# Altium PCB STM32F334R8T6Board_PCB.PcbDoc (part 2 of 2)
Units mm, origin at the board's own origin, x right, y up, seen from the top; angles counter-clockwise.
Board outline 150.9 x 140.23 mm, 2 copper layers (Top Layer, Bottom Layer); 191 components, 132 nets, 630 pads, 229 vias.
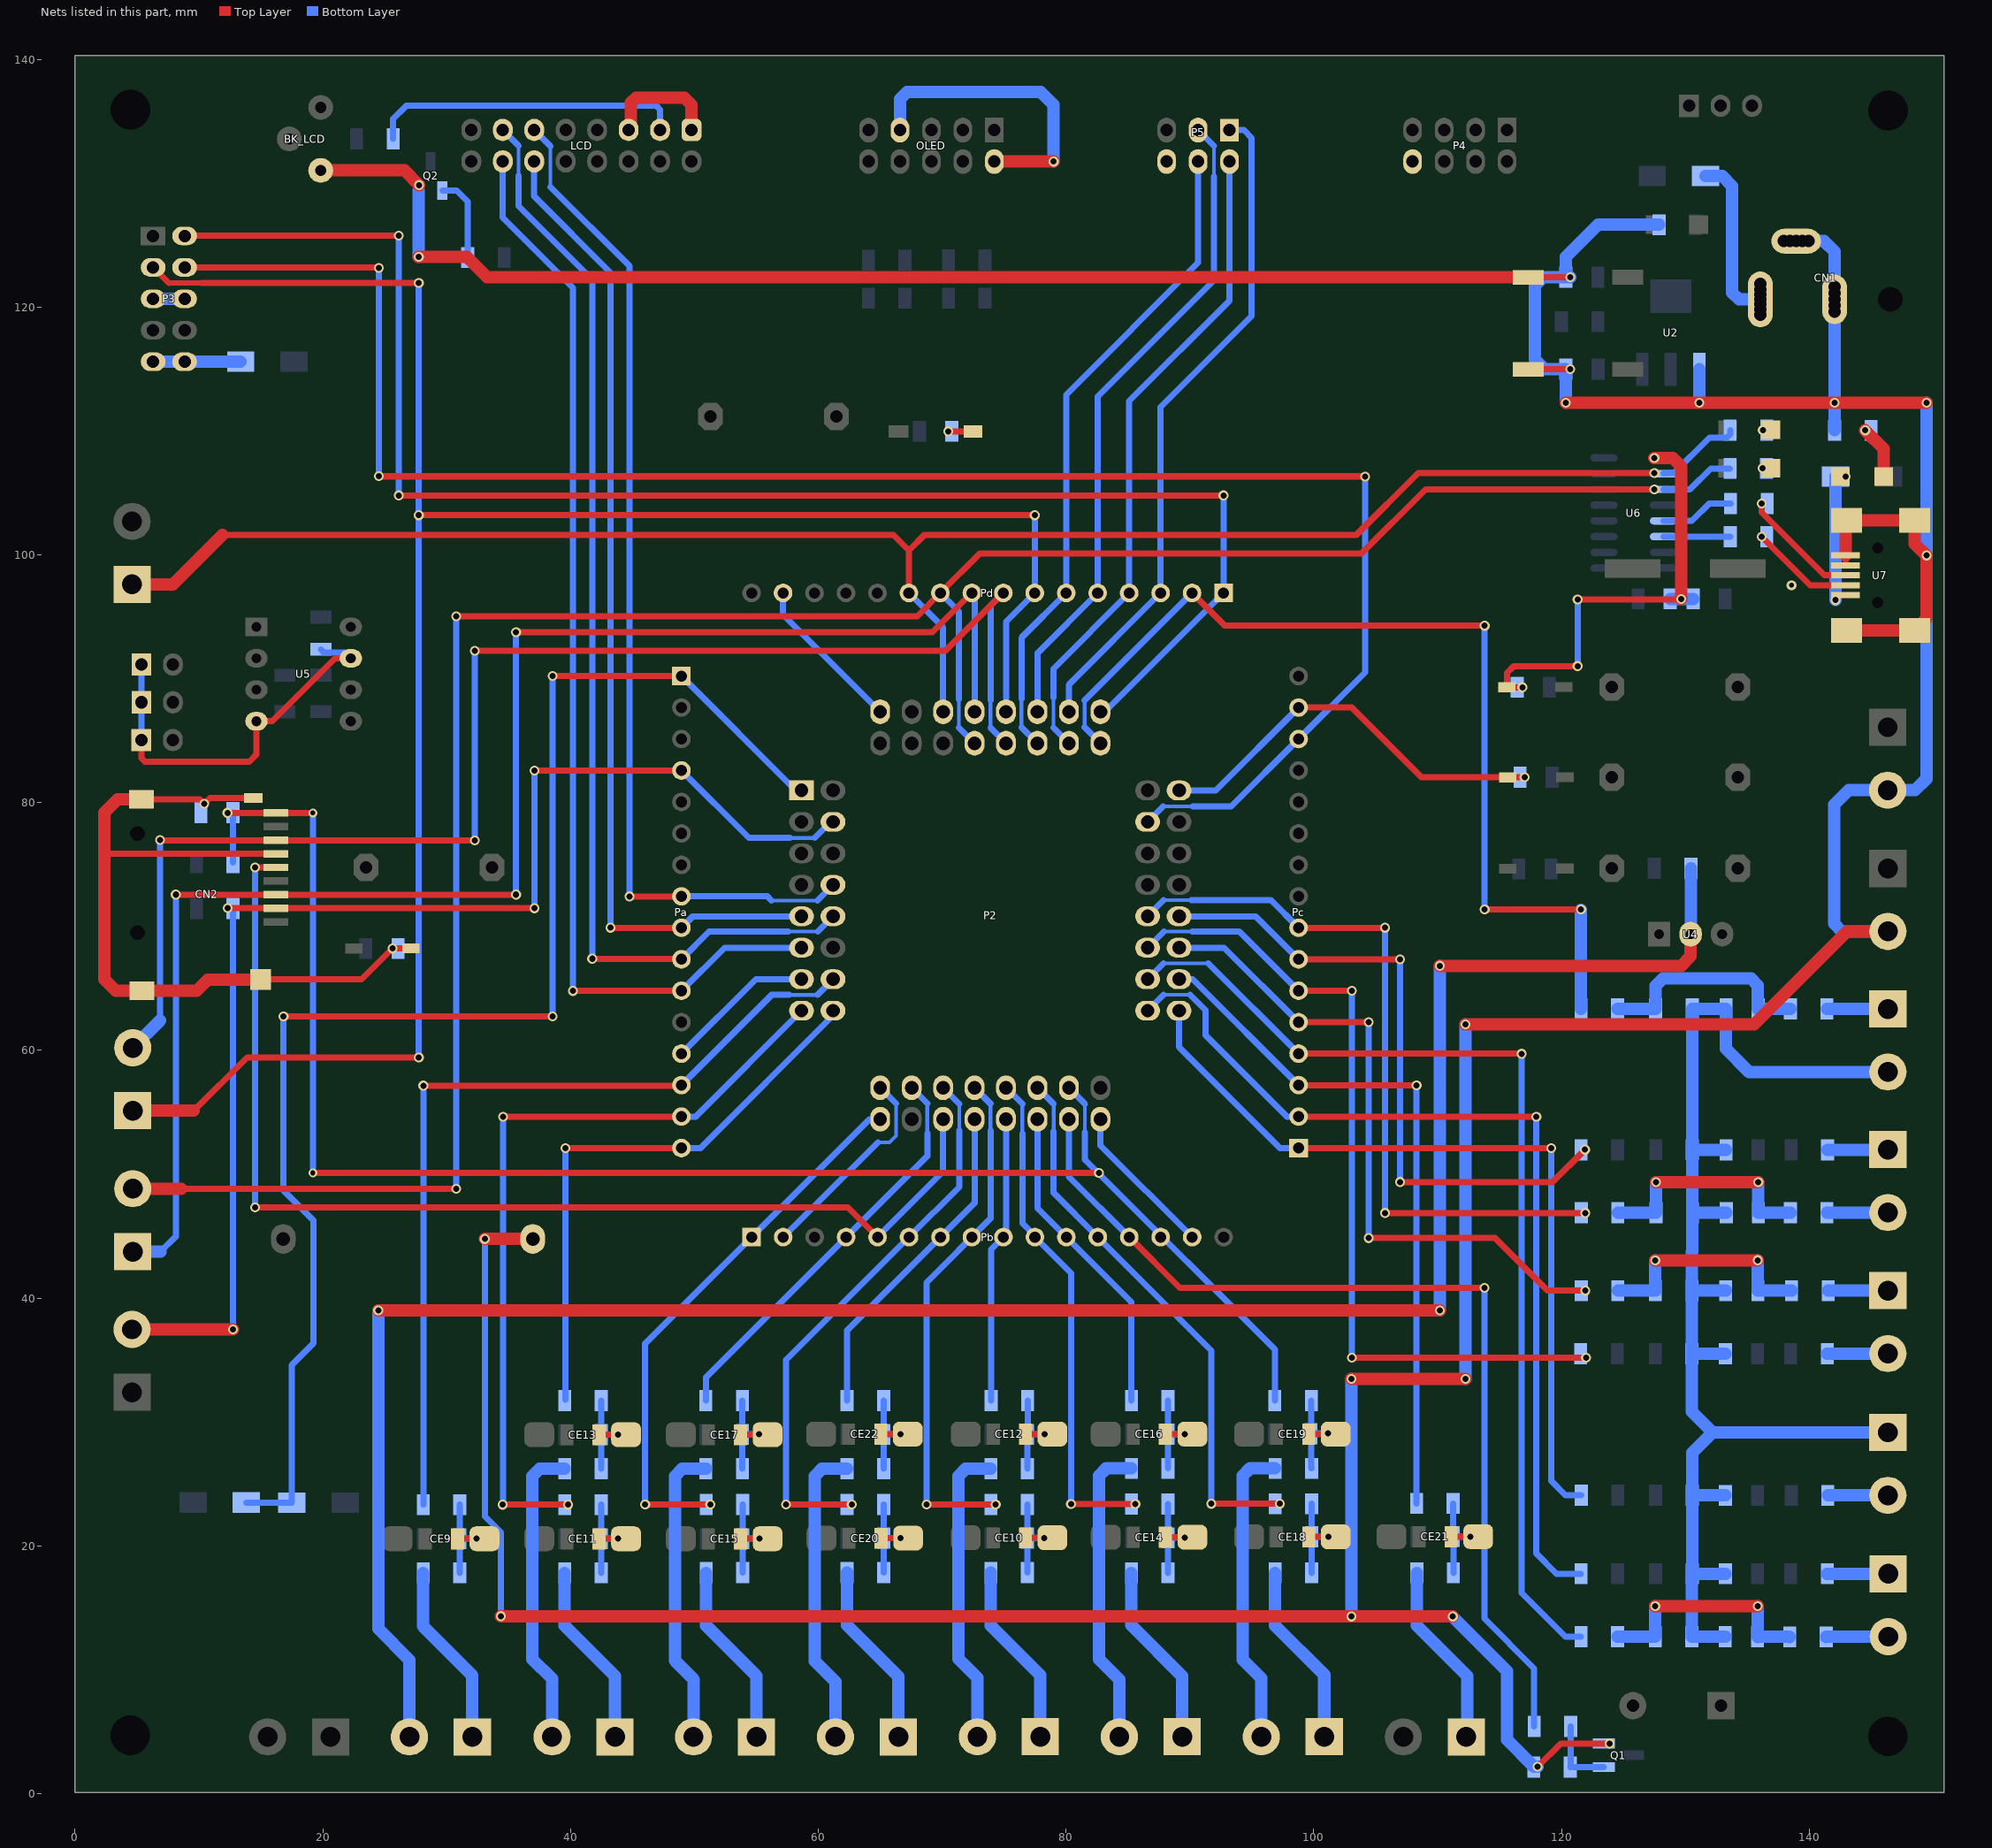
[diagram p2: the nets of this part, all layers, seen from the top]

## Via types
v1: diameter 0.8, hole 0.5, Top Layer to Bottom Layer, 225 vias
v2: diameter 0.7, hole 0.4, Top Layer to Bottom Layer, 2 vias
v3: diameter 1.27, hole 0.711, Top Layer to Bottom Layer, 1 vias
v4: diameter 0.8, hole 0.4, Top Layer to Bottom Layer, 1 vias

## Nets (pads, with @x,y where several pads share a name; then routed paths per layer and width w, separated by ;. In a path a pad name is that pad's centre, name@x,y a point inside that pad or via, vN(x,y) a via of type N, cw(c..) or ccw(c..) an arc to the next point about the centre after c; other vN are vias at no path point) (continued)
NetC26_1: C26.1 R78.2 R79.2 R80.1 | length 18.8
  Top Layer w1: v1(127.625,49.355) v1(135.89,49.355)
  Bottom Layer w1: R80.1@124.55,46.9 R79.2@127.625,46.9 v1(127.625,49.355) ; C26.1@135.89,46.88 v1(135.89,49.355) ; C26.1@135.9,46.9 R78.2@138.475,46.9
NetC27_1: C27.1 R81.2 R82.2 R83.1 | length 18.8
  Top Layer w1: v1(127.575,15.125) v1(135.84,15.125)
  Bottom Layer w1: R83.1@124.525,12.67 R82.2@127.575,12.67 v1(127.575,15.125) ; v1(135.84,15.125) 135.84,12.65 135.84,12.655 135.845,12.66 138.415,12.66 R81.2@138.425,12.65
NetC28_1: C28.1 R84.2 R85.2 R86.1 | length 18.2
  Bottom Layer w1: R86.1@124.525,63.35 R85.2@127.6,63.35 127.6,65.219 128.186,65.805 135.295,65.805 135.85,65.25 135.85,63.345 C28.1@135.865,63.33 ; C28.1@135.875,63.35 R84.2@138.475,63.35
NetC29_1: C29.1 R87.2 R88.2 R89.1 | length 18.9
  Top Layer w1: v1(127.575,43.05) 127.58,43.055 v1(135.84,43.055)
  Bottom Layer w1: R89.1@124.546,40.6 124.549,40.603 127.608,40.603 R88.2@127.611,40.6 ; R88.2@127.575,40.646 v1(127.575,43.05) ; C29.1@135.85,40.6 C29.1@135.875,40.6 ; v1@135.85,43.05 135.85,40.95 135.875,40.925 C29.1@135.875,40.6 ; R87.2@138.575,40.6 C29.1@135.875,40.6
NetCE9_1: CE9.1 R24.2 R25.2 R26.1 | length 9
  Top Layer w0.5: CE9.1@30.87,20.565 30.88,20.575 CE9.1@33.05,20.575
  Bottom Layer w0.5: R24.2@31.05,17.825 R25.2@31.05,20.575 ; R26.1@31.05,23.325 R25.2@31.05,20.575 ; v1(32.4,20.575) R25.2@31.05,20.575
NetCE10_1: CE10.1 R27.2 R28.2 R29.1 | length 9.1
  Top Layer w0.5: CE10.1@76.72,20.64 76.73,20.65 CE10.1@78.9,20.65
  Bottom Layer w0.5: R27.2@76.875,17.85 R28.2@76.875,20.625 ; R29.1@76.875,23.35 R28.2@76.875,20.625 ; v1(78.25,20.625) R28.2@76.875,20.625
NetCE11_1: CE11.1 R30.2 R31.2 R32.1 | length 9.2
  Top Layer w0.5: CE11.1@42.1,20.575 CE11.1@44.475,20.575
  Bottom Layer w0.5: R30.2@42.475,17.825 R31.2@42.475,20.575 ; R32.1@42.475,23.325 R31.2@42.475,20.575 ; v1(43.825,20.575) R31.2@42.475,20.575
NetCE12_1: CE12.1 R33.2 R34.2 R35.1 | length 9.1
  Top Layer w0.5: CE12.1@76.72,29.015 76.73,29.025 CE12.1@78.9,29.025
  Bottom Layer w0.5: R33.2@76.875,26.225 76.887,26.237 76.887,28.987 R34.2@76.9,29 ; R35.1@76.9,31.725 R34.2@76.9,29 ; v1(78.275,29) R34.2@76.9,29
NetCE13_1: CE13.1 R36.2 R37.2 R38.1 | length 9
  Top Layer w0.5: CE13.1@42.305,28.975 CE13.1@44.475,28.975
  Top Layer w1: CE13.1@42.295,28.965 CE13.1@42.305,28.975
  Bottom Layer w0.5: R36.2@42.475,26.225 R37.2@42.475,28.975 ; R38.1@42.475,31.725 R37.2@42.475,28.975 ; v1(43.825,28.975) R37.2@42.475,28.975
NetCE14_1: CE14.1 R39.2 R40.2 R41.1 | length 9.1
  Top Layer w0.5: CE14.1@88.02,20.69 89.575,20.69 89.585,20.7 CE14.1@90.2,20.7
  Bottom Layer w0.5: R39.2@88.225,17.825 R40.2@88.225,20.65 ; R41.1@88.225,23.375 R40.2@88.225,20.65 ; v1(89.575,20.65) R40.2@88.225,20.65
NetCE15_1: CE15.1 R42.2 R43.2 R44.1 | length 9
  Top Layer w0.5: CE15.1@53.72,20.565 53.73,20.575 CE15.1@55.9,20.575
  Bottom Layer w0.5: R42.2@53.9,17.85 R43.2@53.9,20.575 ; R44.1@53.9,23.35 R43.2@53.9,20.575 ; v1(55.25,20.575) R43.2@53.9,20.575
NetCE16_1: CE16.1 R45.2 R46.2 R47.1 | length 9
  Top Layer w0.5: CE16.1@88.02,29.015 88.03,29.025 CE16.1@90.2,29.025
  Bottom Layer w0.5: R45.2@88.225,26.25 R46.2@88.225,29.025 ; R47.1@88.225,31.725 R46.2@88.225,29.025 ; v1(89.575,29.025) R46.2@88.225,29.025
NetCE17_1: CE17.1 R48.2 R49.2 R50.1 | length 9
  Top Layer w0.5: CE17.1@53.72,28.965 53.73,28.975 CE17.1@55.9,28.975
  Bottom Layer w0.5: R48.2@53.875,26.225 R49.2@53.875,29 ; R50.1@53.875,31.725 R49.2@53.875,29 ; v1(55.225,29) R49.2@53.875,29
NetCE18_1: CE18.1 R51.2 R52.2 R53.1 | length 9.1
  Top Layer w0.5: CE18.1@99.595,20.715 99.605,20.725 CE18.1@101.775,20.725
  Bottom Layer w0.5: R51.2@99.825,17.825 R52.2@99.825,20.725 ; R53.1@99.825,23.4 R52.2@99.825,20.725 ; v1(101.175,20.725) R52.2@99.825,20.725
NetCE19_1: CE19.1 R54.2 R55.2 R56.1 | length 9.1
  Top Layer w0.5: CE19.1@99.595,29.015 99.605,29.025 CE19.1@101.775,29.025
  Bottom Layer w0.5: R56.1@99.8,31.725 99.787,31.712 99.787,29.088 R55.2@99.8,29.075 ; R54.2@99.825,26.25 99.8,26.275 99.8,29.025 R55.2@99.775,29.05 R55.2@99.8,29.075 ; v1(101.15,29.075) R55.2@99.8,29.075
NetCE20_1: CE20.1 R57.2 R58.2 R59.1 | length 9
  Top Layer w0.5: CE20.1@65.07,20.615 65.08,20.625 CE20.1@67.25,20.625
  Bottom Layer w0.5: R57.2@65.275,17.85 R58.2@65.275,20.625 ; R59.1@65.275,23.35 R58.2@65.275,20.625 ; v1(66.625,20.625) R58.2@65.275,20.625
NetCE21_1: CE21.1 R60.2 R61.2 R62.1 | length 9.1
  Top Layer w0.5: CE21.1@111.095,20.74 111.105,20.75 CE21.1@113.275,20.75
  Bottom Layer w0.5: R62.1@111.25,23.425 111.262,23.413 111.262,20.763 R61.2@111.275,20.75 ; R60.2@111.275,17.825 R61.2@111.275,20.75 ; v1(112.625,20.75) R61.2@111.275,20.75
NetCE22_1: CE22.1 R63.2 R64.2 R65.1 | length 9
  Top Layer w0.5: CE22.1@65.045,29.015 65.055,29.025 CE22.1@67.225,29.025
  Bottom Layer w0.5: R63.2@65.275,26.225 R64.2@65.275,29 ; R65.1@65.275,31.725 R64.2@65.275,29 ; v1(66.625,29) R64.2@65.275,29
NetCN1_1: CN1.1 D1.1 | length 13.6
  Bottom Layer w1: D1.1@131.625,130.575 132.975,130.575 133.775,129.775 133.775,121.175 134.325,120.625 CN1.1@136.05,120.625
NetD3_1: D3.1 P3.9 P3.10 | length 7.1
  Bottom Layer w0.5: D3.1@13.365,115.59 D3.1@13.375,115.6
  Bottom Layer w1: P3.9@6.3,115.59 P3.10@8.84,115.59 8.845,115.595 13.36,115.595 D3.1@13.365,115.59
NetD4_1: D4.1 U7.1 USB_PW.1 | length 11.2
  Top Layer w0.5: v1(142.125,96.35) 142.125,96.75 U7.1@142.925,96.75
  Bottom Layer w1: v1(142.125,96.35) D4.1@142.125,106.325
  other v1: 142.95,106.325
NetQ1_1: Q1.1 R6.1 R7.2 | length 6
  Bottom Layer w0.5: R6.1@120.738,5.425 120.725,5.412 120.725,2.162 R7.2@120.713,2.15 Q1.1@123.413,2.15
NetQ2_1: Q2.1 R14.1 | length 6.9
  Bottom Layer w0.5: Q2.1@29.65,129.415 30.8,129.415 31.7,128.515 R14.1@31.7,124
NetR19_2: R19.2 TX.2
  other v1: 136.25,110.075
NetR20_2: R20.2 RX.2
  other v1: 136.225,107
NetR21_1: R21.1 U6.6 | length 5.4
  Bottom Layer w0.5: U6.6@128.229,101.475 R21.1@133.625,101.475
NetR21_2: R21.2 U7.2 | length 8.4
  Top Layer w0.5: v1(136.15,101.475) 140.075,97.55 U7.2@142.925,97.55
NetR22_1: R22.1 U6.5 | length 6
  Bottom Layer w0.5: U6.5@128.229,102.745 130.523,102.745 131.928,104.15 R22.1@133.65,104.15
NetR22_2: R22.2 U7.3 | length 9.6
  Top Layer w0.5: v1(136.15,104.15) 136.15,103.425 141.225,98.35 U7.3@142.925,98.35
NetR23_1: R23.1 USB_PW.2 | length 4.3
  Top Layer w1: v1(144.525,110.05) 146,108.575 USB_PW.2@146,106.325
PA0: P2.14 Pa.14 R26.2 | length 70.5
  Top Layer w0.5: v1@28.1,57.147 48.903,57.148 Pa.14@48.95,57.195
  Bottom Layer w0.3: 57.65,64.475 59.915,64.475
  Bottom Layer w0.5: v1(28.112,57.15) 28.112,23.337 R26.2@28.125,23.325 ; Pa.14@48.95,57.195 56.23,64.475 57.65,64.475 ; 59.915,64.475 P2.14@61.185,65.745
PA0F: H4.1 R24.1 | length 14.9
  Bottom Layer w1: R24.1@28.1,17.825 28.1,13.51 32.07,9.54 H4.1@32.07,4.575
PA1: P2.15 Pa.15 R32.2 | length 64.3
  Top Layer w0.5: v1(34.525,23.325) v1(39.8,23.325) ; v1(34.55,54.65) 34.553,54.653 48.948,54.653 Pa.15@48.95,54.655
  Bottom Layer w0.5: v1(34.525,23.325) 34.538,23.337 34.538,54.642 v1@34.525,54.655 ; Pa.15@48.95,54.655 50.095,54.655 P2.15@58.645,63.205
PA1F: H5.1 R30.1 | length 14.9
  Bottom Layer w1: R30.1@39.525,17.825 39.525,13.555 43.585,9.495 H5.1@43.585,4.575
PA2: P2.16 Pa.16 R38.2 | length 46.7
  Top Layer w0.5: v1@39.575,52.12 48.935,52.12 Pa.16@48.94,52.125
  Bottom Layer w0.5: R38.2@39.575,31.8 v1(39.575,52.115) ; Pa.16@48.95,52.115 50.49,52.115 61.185,62.81 P2.16@61.185,63.205
PA2F: H5.2 R36.1 | length 24.6
  Bottom Layer w1: H5.2@38.505,4.575 38.505,9.27 36.914,10.861 36.914,25.639 37.5,26.225 R36.1@39.525,26.225
PA3: P2.17 Pb.17 R44.2 | length 44.7
  Top Layer w0.5: v1(46.025,23.35) v1(51.275,23.35)
  Bottom Layer w0.5: v1(46.025,23.35) 46.025,36.325 Pb.17@54.625,44.925 64.142,54.442 P2.17@64.995,54.442
PA3F: H6.1 R42.1 | length 14.9
  Bottom Layer w1: R42.1@50.95,17.825 50.95,13.565 55.005,9.51 H6.1@55.005,4.575
PA4: P2.20 Pb.20 R50.2 | length 33.2
  Bottom Layer w0.3: 68.8,53.325 68.8,55.717
  Bottom Layer w0.5: R50.2@50.925,31.725 50.925,33.605 68.8,51.48 68.8,53.325 ; P2.20@67.535,56.982 68.8,55.717
PA4F: H6.2 R48.1 | length 24.4
  Bottom Layer w1: H6.2@49.925,4.575 49.925,9.225 48.425,10.725 48.425,25.639 49.011,26.225 R48.1@50.925,26.225
PA5: CN2.5 P2.21 Pb.21 | length 92.1
  Top Layer w0.5: v1(14.525,47.325) 62.385,47.325 Pb.21@64.785,44.925 ; v1@14.525,74.759 16.19,74.759 CN2.5@16.199,74.769
  Bottom Layer w0.5: v1(14.525,47.325) v1(14.525,74.769) ; Pb.21@64.785,44.925 70.075,50.215 P2.21@70.075,54.442
PA6: P2.22 Pb.22 R59.2 | length 45.3
  Top Layer w0.5: v1(57.4,23.35) v1(62.7,23.35)
  Bottom Layer w0.3: 71.375,53.525 71.375,55.682
  Bottom Layer w0.5: v1(57.4,23.35) 57.4,35 Pb.22@67.325,44.925 71.375,48.975 71.375,53.525 ; P2.22@70.075,56.982 71.375,55.682
PA6F: H7.1 R57.1 | length 15
  Bottom Layer w1: R57.1@62.325,17.85 62.325,13.608 66.465,9.467 H7.1@66.465,4.575
PA7: P2.23 Pb.23 R65.2 | length 27
  Bottom Layer w0.5: R65.2@62.325,31.725 62.325,37.385 72.615,47.675 P2.23@72.615,54.442
PA7F: H7.2 R63.1 | length 24.6
  Bottom Layer w1: H7.2@61.385,4.575 61.385,9.04 59.714,10.711 59.714,25.639 60.3,26.225 R63.1@62.325,26.225
PA15: P2.50 Pd.50 R86.2 | length 79.6
  Top Layer w0.5: Pd.50@90.175,96.925 92.825,94.275 v1(113.8,94.275) ; v1(113.8,71.375) v1(121.575,71.375)
  Bottom Layer w0.3: 81.5,86.07 81.5,88.25
  Bottom Layer w0.5: 81.5,86.07 P2.50@82.775,84.795 ; 81.5,88.25 Pd.50@90.175,96.925 ; v1(113.8,71.375) v1(113.8,94.275)
  Bottom Layer w1: R86.2@121.575,63.35 v1@121.575,71.35
PA15F: H16.1 R84.1 | length 4.9
  Bottom Layer w1: R84.1@141.425,63.35 141.432,63.343 146.343,63.343 H16.1@146.35,63.335
PB0: P2.26 Pb.26 R41.2 | length 41
  Top Layer w0.5: v1(80.4,23.375) v1(85.6,23.375)
  Bottom Layer w0.3: 76.475,53.275 76.475,55.662
  Bottom Layer w0.5: P2.26@75.155,56.982 76.475,55.662 ; 76.475,53.275 76.475,46.036 77.485,45.026 Pb.26@77.485,44.925 80.4,42.01 v1(80.4,23.375)
PB0F: H9.1 R39.1 | length 14.9
  Bottom Layer w1: R39.1@85.275,17.825 85.275,13.586 89.385,9.476 H9.1@89.385,4.587
PB1: P2.27 Pb.27 R47.2 | length 25.9
  Bottom Layer w0.5: P2.27@77.695,54.442 77.695,47.255 Pb.27@80.025,44.925 85.275,39.675 R47.2@85.275,31.725
PB1F: H9.2 R45.1 | length 24.6
  Bottom Layer w1: H9.2@84.305,4.587 84.305,9.22 82.664,10.861 82.664,25.664 83.25,26.25 R45.1@85.275,26.25
PB2: P2.28 Pb.28 R53.2 | length 44.9
  Top Layer w0.5: v1(91.725,23.4) v1(97.25,23.4)
  Bottom Layer w0.3: 79,53.45 79,55.677
  Bottom Layer w0.5: P2.28@77.695,56.982 79,55.677 ; 79,53.45 79,48.49 Pb.28@82.565,44.925 91.725,35.765 v1(91.725,23.4)
PB2F: H10.1 R51.1 | length 14.9
  Bottom Layer w1: R51.1@96.875,17.825 96.875,13.561 100.845,9.591 H10.1@100.845,4.587
PB6: H18.2 P2.58 Pd.58 R20.1 U6.3 | length 192.7
  Top Layer w0.5: 8.575,48.83 8.578,48.828 30.772,48.828 v1@30.775,48.83 ; v1(30.775,95.05) 67.98,95.05 Pd.58@69.855,96.925 73.055,100.125 103.875,100.125 109.025,105.275 v1(127.5,105.275)
  Top Layer w1: H18.2@4.65,48.83 8.575,48.83
  Bottom Layer w0.3: 71.35,86.06 71.35,88.325
  Bottom Layer w0.5: v1(30.775,48.825) v1(30.775,95.05) ; Pd.58@69.855,96.925 71.35,95.43 71.35,88.325 ; 71.35,86.06 P2.58@72.615,84.795 ; U6.3@128.229,105.285 130.358,105.285 132.047,106.975 R20.1@133.604,106.975
PB7: H19.1 P2.59 Pd.59 R19.1 U6.2 | length 148.8
  Top Layer w0.5: 11.875,101.6 66.075,101.6 67.315,100.36 ; Pd.59@67.315,96.925 67.315,100.36 ; v1(127.5,106.6) 108.425,106.6 103.45,101.625 68.58,101.625 67.315,100.36
  Top Layer w1: H19.1@4.6,97.625 7.9,97.625 11.875,101.6
  Bottom Layer w0.5: Pd.59@67.315,96.925 70.075,94.165 P2.59@70.075,87.335 ; U6.2@128.229,106.555 128.262,106.588 129.062,106.588 131.943,109.469 133.343,109.469 133.618,109.744 R19.1@133.618,110.069
PB10: P2.29 Pb.29 R6.2 | length 79
  Top Layer w0.5: Pb.29@85.105,44.925 89.205,40.825 v1(113.775,40.825)
  Bottom Layer w0.5: P2.29@80.235,54.442 80.235,49.795 Pb.29@85.105,44.925 ; v1(113.775,40.825) 113.775,14.125 117.788,10.112 R6.2@117.788,5.425
PB11: C15.1 CN2.9 P2.30 Pb.30 R9.1 R56.2 | length 135.6
  Top Layer w0.5: v1(12.3,79.175) 12.303,79.172 16.196,79.172 CN2.9@16.199,79.169 v2(19.194,79.169) ; v2(19.194,50.106) 19.197,50.103 v1(82.65,50.103)
  Bottom Layer w0.3: 81.525,53.4 81.525,55.692
  Bottom Layer w0.5: R9.1@12.75,75.15 C15.1@12.75,79.2 ; v2(19.194,50.106) v2(19.194,79.169) ; P2.30@80.235,56.982 81.525,55.692 ; 81.525,53.4 81.525,51.19 82.631,50.084 96.85,35.865 R56.2@96.85,31.725
PB11F: H10.2 R54.1 | length 24.6
  Bottom Layer w1: H10.2@95.765,4.587 95.765,9.31 94.264,10.811 94.264,25.664 94.85,26.25 R54.1@96.875,26.25
PB12: P2.33 Pc.33 R68.2 | length 66.1
  Top Layer w0.5: Pc.33@98.775,52.115 v1(119.175,52.115)
  Bottom Layer w0.5: P2.33@89.125,63.205 89.125,60.265 97.275,52.115 Pc.33@98.775,52.115 ; v1@119.175,52.125 v1(119.175,52.115) 119.175,25.25 120.325,24.1 R68.2@121.6,24.1
PB12F: H12.2 R66.1 | length 4.9
  Bottom Layer w1: R66.1@141.5,24.075 141.502,24.078 146.348,24.078 H12.2@146.35,24.08
PB13: P2.34 Pc.34 R74.2 | length 76.7
  Top Layer w0.5: Pc.34@98.775,54.655 98.777,54.653 v1@117.972,54.653
  Bottom Layer w0.3: 87.88,64.5 90.025,64.5
  Bottom Layer w0.5: P2.34@86.585,63.205 87.88,64.5 ; 90.025,64.5 91.275,63.25 91.275,61.225 97.845,54.655 Pc.34@98.775,54.655 ; v1(117.975,54.65) 117.975,19.375 119.6,17.75 R74.2@121.575,17.75
PB13F: H13.1 R72.1 | length 4.9
  Bottom Layer w1: R72.1@141.45,17.75 H13.1@146.375,17.75
PB14: P2.35 Pc.35 R62.2 | length 56.5
  Top Layer w0.5: Pc.35@98.775,57.195 98.785,57.185 v1@108.29,57.185
  Bottom Layer w0.5: P2.35@89.125,65.745 90.225,65.745 Pc.35@98.775,57.195 ; R62.2@108.3,23.425 v1(108.3,57.175) v1@108.3,57.195
PB14F: H11.1 R60.1 | length 14.9
  Bottom Layer w1: R60.1@108.325,17.825 108.325,13.555 112.385,9.495 H11.1@112.385,4.575
PB15: P2.36 Pc.36 R83.2 | length 83.5
  Top Layer w0.5: Pc.36@98.775,59.735 98.78,59.73 116.77,59.73 v1(116.775,59.725)
  Bottom Layer w0.3: 87.865,67.025 91.485,67.025
  Bottom Layer w0.5: P2.36@86.585,65.745 87.865,67.025 ; 91.485,67.025 Pc.36@98.775,59.735 ; v1(116.775,59.725) 116.775,16.195 120.3,12.67 R83.2@121.575,12.67
PB15F: H13.2 R81.1 | length 5
  Bottom Layer w1: R81.1@141.375,12.65 141.385,12.66 146.365,12.66 H13.2@146.375,12.67
PC0: LCD.11 P2.8 Pa.8 | length 82.2
  Top Layer w0.5: v1@44.755,72.43 48.945,72.43 Pa.8@48.95,72.435
  Bottom Layer w0.3: 38.375,129.7 38.375,132.996 ; 56.225,72.1 59.92,72.1
  Bottom Layer w0.5: LCD.11@37.066,134.305 38.375,132.996 ; 38.375,129.7 44.75,123.325 v1(44.75,72.425) ; Pa.8@48.95,72.435 55.89,72.435 56.225,72.1 ; 59.92,72.1 P2.8@61.185,73.365
PC1: LCD.12 P2.9 Pa.9 | length 80.3
  Top Layer w0.5: v1@43.178,69.898 48.948,69.898 Pa.9@48.95,69.895
  Bottom Layer w0.5: LCD.12@37.066,131.765 37.066,128.934 43.225,122.775 v1(43.225,69.9) ; Pa.9@48.95,69.895 49.88,70.825 P2.9@58.645,70.825
PC2: LCD.13 P2.10 Pa.10 | length 90.8
  Top Layer w0.5: v1(41.75,67.4) 41.772,67.378 48.928,67.378 Pa.10@48.95,67.355
  Bottom Layer w0.3: 35.8,130.625 35.8,133.031 ; 57.575,69.6 59.96,69.6
  Bottom Layer w0.5: LCD.13@34.526,134.305 35.8,133.031 ; 35.8,130.625 35.8,128.15 41.75,122.2 v1(41.75,67.4) ; Pa.10@48.95,67.355 51.195,69.6 57.575,69.6 ; 59.96,69.6 P2.10@61.185,70.825
PC3: LCD.14 P2.11 Pa.11 | length 89.2
  Top Layer w0.5: v1@40.207,64.808 48.943,64.808 Pa.11@48.95,64.815
  Bottom Layer w0.5: LCD.14@34.526,131.765 34.526,127.224 40.2,121.55 v1(40.2,64.8) ; Pa.11@48.95,64.815 52.42,68.285 P2.11@58.645,68.285
PC4: P2.24 Pb.24 R29.2 | length 41.9
  Top Layer w0.5: v1(68.75,23.35) v1(74.325,23.35)
  Bottom Layer w0.3: 73.9,53.525 73.9,55.697
  Bottom Layer w0.5: v1(68.75,23.35) 68.75,41.27 73.9,46.42 73.9,53.525 ; P2.24@72.615,56.982 73.9,55.697
PC4F: H8.1 R27.1 | length 14.9
  Bottom Layer w1: R27.1@73.925,17.85 73.925,13.574 77.925,9.574 H8.1@77.925,4.587
PC5: P2.25 Pb.25 R35.2 | length 23.2
  Bottom Layer w0.5: R35.2@73.95,31.725 73.95,43.93 Pb.25@74.945,44.925 75.155,45.135 P2.25@75.155,54.442
PC5F: H8.2 R33.1 | length 24.5
  Bottom Layer w1: H8.2@72.845,4.587 72.845,9.355 71.314,10.886 71.314,25.639 71.9,26.225 R33.1@73.925,26.225
PC6: P2.37 Pc.37 R89.2 | length 54.5
  Top Layer w0.5: Pc.37@98.775,62.275 v1(104.425,62.275) ; v1(104.425,44.85) 114.625,44.85 118.875,40.6 v1(121.925,40.6)
  Bottom Layer w0.5: P2.37@89.125,68.285 92.765,68.285 Pc.37@98.775,62.275 ; v1(104.425,44.85) v1(104.425,62.275)
PC6F: H14.1 R87.1 | length 4.8
  Bottom Layer w1: R87.1@141.525,40.6 H14.1@146.35,40.6
PC7: P2.38 Pc.38 R71.2 | length 67.5
  Top Layer w0.5: Pc.38@98.775,64.815 98.777,64.817 v1@103.073,64.817 ; v1(103.075,35.2) 121.675,35.2 v1(121.975,35.2)
  Bottom Layer w0.3: 87.9,69.6 90.2,69.6
  Bottom Layer w0.5: P2.38@86.585,68.285 87.9,69.6 ; 90.2,69.6 93.99,69.6 Pc.38@98.775,64.815 ; v1(103.075,35.2) v1(103.075,64.819)
PC7F: H14.2 R69.1 | length 4.9
  Bottom Layer w1: R69.1@141.45,35.505 141.458,35.513 146.343,35.513 H14.2@146.35,35.52
PC8: P2.39 Pc.39 R77.2 | length 53.3
  Top Layer w0.5: Pc.39@98.775,67.355 v1(106.975,67.355) ; v1(106.975,49.375) 119.29,49.375 v1(121.9,51.985)
  Bottom Layer w0.5: P2.39@89.125,70.825 95.305,70.825 Pc.39@98.775,67.355 ; v1(106.975,49.375) v1(106.975,67.355)
PC8F: H15.1 R75.1 | length 4.9
  Bottom Layer w1: R75.1@141.475,51.975 141.48,51.98 146.345,51.98 H15.1@146.35,51.985
PC9: P2.40 Pc.40 R80.2 | length 59.8
  Top Layer w0.5: Pc.40@98.775,69.895 98.777,69.898 v1@105.747,69.898 ; v1(105.75,46.875) v1(121.925,46.875)
  Bottom Layer w0.3: 87.885,72.125 90.125,72.125
  Bottom Layer w0.5: P2.40@86.585,70.825 87.885,72.125 ; 90.125,72.125 96.545,72.125 Pc.40@98.775,69.895 ; v1(105.75,46.875) v1(105.75,69.9)
PC9F: H15.2 R78.1 | length 4.9
  Bottom Layer w1: R78.1@141.425,46.9 141.428,46.903 146.348,46.903 H15.2@146.35,46.905
PC10: P2.51 P5.1 Pd.51 | length 54.5
  Bottom Layer w0.5: P2.51@80.235,87.335 80.235,89.525 Pd.51@87.635,96.925 87.635,111.925 94.978,119.268 94.978,133.672 94.36,134.29 P5.1@93.205,134.29
PC11: P2.52 P5.2 Pd.52 | length 53.4
  Bottom Layer w0.3: 78.975,86.055 78.975,88.475
  Bottom Layer w0.5: 78.975,86.055 P2.52@80.235,84.795 ; 78.975,88.475 78.975,90.805 Pd.52@85.095,96.925 85.095,112.42 93.205,120.53 P5.2@93.205,131.75
PC12: P2.53 P5.3 Pd.53 | length 53.4
  Bottom Layer w0.3: 91.95,130.55 91.95,133.005
  Bottom Layer w0.5: P2.53@77.695,87.335 77.695,92.065 Pd.53@82.555,96.925 82.555,112.78 91.95,122.175 91.95,130.55 ; P5.3@90.665,134.29 91.95,133.005
PD2: P2.54 P5.4 Pd.54 | length 53.4
  Bottom Layer w0.3: 76.4,86.09 76.4,88.375
  Bottom Layer w0.5: 76.4,86.09 P2.54@77.695,84.795 ; 76.4,88.375 76.4,93.31 Pd.54@80.015,96.925 80.015,112.935 90.665,123.585 P5.4@90.665,131.75
PGND: B2.2 BK_LCD.1 C10.1 C11.1 CE1.2 CE3.2 CN1.2 CN1.3 H1.2 H2.2 Q1.2 Q2.2 R4.2 R7.1 R23.2 U2.1 U7.4 U7.5 U7.6 U7.7 U7.8 U7.9 | length 490.1
  Top Layer w0.5: CE3.2@117.325,114.975 117.337,114.987 120.687,114.987 v1(120.7,115) ; CE1.2@117.325,122.4 117.35,122.425 117.362,122.413 120.688,122.413 v1(120.7,122.425) ; v1(118.075,2.175) 119.95,4.05 v1(123.875,4.05) ; U7.4@142.925,99.15 U7.5@142.925,99.95 ; U7.6@142.925,102.7 U7.6@143.025,102.8
  Top Layer w1: BK_LCD.1@19.83,131.04 26.585,131.04 v1(27.775,129.85) ; v1(27.75,124.05) 31.625,124.05 33.275,122.4 CE1.2@117.325,122.4 ; v1(33.075,44.775) B2.2@36.95,44.775 ; v1@34.375,14.3 v1(103.05,14.3) v1(111.225,14.3) ; v1(103.05,33.475) v1(112.25,33.475) ; v1(112.25,62.1) 135.55,62.1 143.05,69.6 H1.2@146.35,69.6 ; v1(120.35,112.275) v1(131.125,112.275) v1(142.05,112.275) v1(149.475,112.275) ; U7.5@142.925,99.95 U7.6@142.925,102.7 ; U7.8@143.025,93.9 U7.9@148.525,93.9 ; U7.6@143.025,102.8 U7.7@148.525,102.8 148.525,100.9 v1(149.475,99.95) 149.475,94.85 U7.9@149.05,94.425
  Bottom Layer w0.5: v1(33.075,44.775) 33.075,22.375 34.375,21.075 v1(34.375,14.325)
  Bottom Layer w1: v1(27.75,124.05) Q2.2@27.75,129.415 ; v1(103.05,14.3) v1(103.05,33.475) ; v1@111.175,14.325 115.6,9.9 115.6,4.338 117.763,2.175 v1(118.075,2.175) ; v1(112.25,33.475) v1(112.25,62.1) ; v1(120.35,112.275) C11.1@120.35,114.95 ; C11.1@120.354,115 118.625,115 117.85,115.775 117.85,121.75 118.525,122.425 C10.1@120.35,122.425 ; v1(120.7,122.425) C10.1@120.35,122.425 ; R4.2@127.875,126.65 122.95,126.65 120.35,124.05 C10.1@120.35,122.425 ; v1@131.125,112.3 U2.1@131.125,114.975 ; CN1.3@138.45,125.325 CN1.3@138.95,125.325 CN1.3@139.45,125.325 CN1.3@139.95,125.325 141.2,125.325 142.05,124.475 CN1.2@142.05,121.125 CN1.2@142.05,120.125 v1(142.05,112.275) R23.2@142.05,110.05 ; H1.2@146.35,69.6 142.625,69.6 142,70.225 142,79.825 143.18,81.005 H2.2@146.33,81.005 148.555,81.005 149.475,81.925 v1(149.475,99.95) v1(149.475,112.275)
SD_DI: CN2.3 H18.1 P2.57 Pd.57 | length 128
  Top Layer w0.5: v1@8.131,72.569 8.134,72.572 16.196,72.572 CN2.3@16.199,72.569 16.202,72.572 v1@35.597,72.572 ; v1(35.6,93.75) 69.22,93.75 Pd.57@72.395,96.925
  Bottom Layer w0.5: 6.9,43.75 8.125,44.975 v1(8.125,72.575) ; v1(35.6,72.575) v1(35.6,93.75) ; Pd.57@72.395,96.925 72.615,96.705 P2.57@72.615,87.335
  Bottom Layer w1: H18.1@4.65,43.75 6.9,43.75
SD_DO: CN2.7 H17.2 P2.56 Pd.56 | length 116.1
  Top Layer w0.5: v1@6.85,76.959 16.19,76.959 CN2.7@16.199,76.969 16.208,76.959 32.266,76.959 v1@32.275,76.969 ; v1(32.275,92.25) 70.26,92.25 Pd.56@74.935,96.925
  Bottom Layer w0.3: 73.9,86.05 73.9,88.25
  Bottom Layer w0.5: 6.85,62.405 v1(6.85,76.975) ; v1(32.275,76.95) v1(32.275,92.25) ; 73.9,86.05 P2.56@75.155,84.795 ; 73.9,88.25 73.9,95.89 Pd.56@74.935,96.925
  Bottom Layer w1: H17.2@4.65,60.205 6.85,62.405
SGND: A0.1 A1.1 A2.1 C12.1 C15.2 C16.1 C17.1 C18.1 C19.1 C20.1 C21.2 C22.2 C23.2 C24.2 C25.2 C26.2 C27.2 C28.2 C29.2 CE4.2 CE6.2 CE7.2 CE8.2 CN2.6 CN2.10 CN2.11 CN2.12 CN2.13 H12.1 H16.2 LCD.1 LCD.5 OLED.2 OLED.7 P2.18 P2.31 P2.47 P2.63 P3.5 P3.6 P4.8 P5.6 Pb.18 Pb.31 Pc.47 Pd.63 R67.1 R70.1 R73.1 R76.1 R79.1 R82.1 R85.1 R88.1 U5.4 U5.7 U6.1 | length 355.5
  Top Layer w0.5: 2.375,75.869 CN2.6@16.199,75.869 ; A2.1@5.35,85.05 5.35,83.6 5.643,83.307 14.057,83.307 14.638,83.888 U5.4@14.638,86.57 15.92,86.57 21,91.65 U5.7@22.258,91.65 ; CN2.12@5.371,80.251 10.074,80.251 v1(10.425,79.9) 10.9,80.375 14.385,80.375 CN2.10@14.388,80.378 ; CN2.11@14.955,65.744 23.144,65.744 v1(25.625,68.225) 25.632,68.232 27.113,68.232 CE6.2@27.12,68.24 ; v1(70.5,109.975) 70.505,109.97 72.475,109.97 CE7.2@72.48,109.965 ; Pc.47@98.775,87.675 103.075,87.675 108.716,82.034 CE4.2@115.67,82.034 115.678,82.042 v1(117.017,82.042) ; v1(116.835,89.31) CE8.2@115.59,89.31 115.59,90.46 116.155,91.025 v1(121.3,91.025) ; v1(121.3,96.4) v1@129.675,96.4
  Top Layer w1: CN2.12@5.371,80.251 3.426,80.251 2.375,79.2 2.375,75.869 2.375,65.725 3.281,64.819 CN2.13@5.38,64.819 9.805,64.819 10.705,65.719 CN2.11@14.98,65.719 ; LCD.5@44.686,134.305 44.882,134.501 44.882,136.507 45.295,136.92 49.18,136.92 49.766,136.334 LCD.1@49.766,134.305 ; OLED.2@74.21,131.75 v1(79,131.75) ; v1(127.5,107.825) 129,107.825 129.675,107.15 v1(129.675,96.425)
  Bottom Layer w0.3: 64.815,52.575 65.75,52.575 66.275,53.1 66.275,55.702
  Bottom Layer w0.5: A2.1@5.35,85.05 5.355,85.055 A1.1@5.355,88.1 A0.1@5.355,91.15 ; C17.1@19.838,92.375 20.113,92.1 21.808,92.1 U5.7@22.258,91.65 ; Pd.63@57.155,96.925 57.155,95.175 P2.63@64.995,87.335 ; Pb.18@57.165,44.925 64.815,52.575 ; P2.18@64.995,56.982 66.275,55.702 ; P2.31@82.775,54.442 82.775,52.335 Pb.31@90.185,44.925 ; P2.47@89.125,80.985 92.085,80.985 Pc.47@98.775,87.675 ; v1(121.3,91.025) v1(121.3,96.4)
  Bottom Layer w1: P3.5@6.3,120.67 P3.6@8.84,120.67 ; OLED.7@66.59,134.29 66.59,136.79 67.176,137.376 77.949,137.376 79,136.325 v1(79,131.75) ; C21.2@128.771,96.45 C20.1@130.629,96.45 ; R76.1@130.561,51.981 130.555,51.987 130.555,63.345 R85.1@130.55,63.35 C28.2@133.279,63.35 133.279,60.121 135.145,58.255 H16.2@146.35,58.255 ; C27.2@133.224,12.67 R82.1@130.525,12.67 130.525,17.4 130.525,17.725 R73.1@130.55,17.75 ; C24.2@133.229,17.75 R73.1@130.55,17.75 ; C22.2@133.229,24.075 133.217,24.088 130.562,24.088 R67.1@130.55,24.1 ; C23.2@133.229,35.505 R70.1@130.525,35.505 ; C29.2@133.254,40.6 133.251,40.603 R88.1@130.561,40.603 ; C25.2@133.279,51.975 133.276,51.978 130.553,51.978 130.55,51.975 130.568,51.957 130.568,46.907 R79.1@130.575,46.9 ; C26.2@133.304,46.9 R79.1@130.575,46.9 ; H12.1@146.35,29.16 132.19,29.16 ; R70.1@130.525,35.505 130.531,35.511 130.531,40.57 130.561,40.6 R88.1@130.561,40.603 ; R70.1@130.525,35.505 130.525,30.825 132.19,29.16 ; R73.1@130.55,17.75 R67.1@130.55,24.1 ; R67.1@130.55,24.1 130.55,27.52 132.19,29.16 ; R88.1@130.561,40.603 130.561,40.931 130.536,40.956 130.536,43.736 130.571,43.771 130.571,46.55 130.575,46.554 R79.1@130.575,46.9
  other v4: 138.575,97.55
SPI1_CS: CN2.2 H20.2 P2.4 Pa.4 R8.2 | length 104.9
  Top Layer w0.5: v1(12.309,71.484) 16.183,71.484 CN2.2@16.199,71.469 v1(37.075,71.469) ; v1(37.075,82.595) Pa.4@48.95,82.595
  Top Layer w1: H20.2@4.6,37.475 v1(12.75,37.475)
  Bottom Layer w0.3: 57.7,77.15 59.7,77.15 59.725,77.175
  Bottom Layer w0.5: v1(12.75,37.475) R8.2@12.75,71.45 ; v1(37.075,71.469) v1(37.075,82.595) ; Pa.4@48.95,82.595 54.395,77.15 57.7,77.15 ; 59.725,77.175 60.995,78.445 P2.4@61.185,78.445
SWCLK: P2.49 P3.2 Pd.49 | length 126.6
  Top Layer w0.5: P3.2@8.84,125.775 8.852,125.762 26.113,125.762 v1(26.125,125.775) ; v1(26.125,104.8) v1(92.715,104.8)
  Bottom Layer w0.5: v1(26.125,104.8) v1(26.125,125.775) ; P2.49@82.775,87.335 83.125,87.335 Pd.49@92.715,96.925 v1@92.715,104.79
SWDIO: P2.46 P3.4 Pc.46 | length 150.5
  Top Layer w0.5: P3.4@8.84,123.21 8.857,123.192 24.508,123.192 v1(24.525,123.175) ; v1(24.525,106.35) 24.538,106.337 v1@104.15,106.337
  Bottom Layer w0.3: 87.84,79.7 90.225,79.7
  Bottom Layer w0.5: v1(24.525,106.35) v1(24.525,123.175) ; P2.46@86.585,78.445 87.84,79.7 ; 90.225,79.7 93.34,79.7 Pc.46@98.775,85.135 104.15,90.51 v1(104.15,106.325)
SWO: H17.1 P2.55 P3.3 Pd.55 | length 175.9
  Top Layer w0.4: 7.56,121.95 10.2,121.95
  Top Layer w0.5: P3.3@6.3,123.21 7.56,121.95 ; 9.575,55.125 13.875,59.425 v1(27.75,59.425) ; 10.2,121.95 v1(27.75,121.95) ; v1(27.75,103.2) v1(77.475,103.2)
  Top Layer w1: H17.1@4.65,55.125 9.575,55.125
  Bottom Layer w0.5: v1(27.75,59.425) v1(27.75,103.2) v1(27.75,121.95) ; P2.55@75.155,87.335 75.155,94.605 Pd.55@77.475,96.925 v1(77.475,103.2)
V0: LCD.3 R13.1 | length 25.4
  Bottom Layer w0.5: R13.1@25.675,133.58 25.675,135.18 26.743,136.248 46.933,136.248 47.226,135.955 LCD.3@47.226,134.305
V_BAT: D2.2 D5.2 P2.1 Pa.1 | length 117.7
  Top Layer w0.5: v1@16.875,62.745 38.545,62.745 v1(38.55,62.75) ; v1(38.55,90.215) Pa.1@48.95,90.215
  Bottom Layer w0.5: D2.2@13.825,23.5 17.475,23.5 D5.2@17.5,23.475 17.5,34.6 19.25,36.35 19.25,46.275 16.825,48.7 v1(16.825,62.75) ; v1(38.55,62.75) v1(38.55,90.215) ; Pa.1@48.95,90.215 58.18,80.985 P2.1@58.645,80.985
VDDA: P2.13 Pa.13 | length 12.2
  Bottom Layer w0.5: Pa.13@48.95,59.735 54.96,65.745 P2.13@58.645,65.745
VREF+: H4.2 R5.2 U4.2 | length 176.7
  Top Layer w1: v1(24.475,39) v1(110.175,39) ; v1(110.175,66.825) 129.65,66.825 130.425,67.6 U4.2@130.425,69.375
  Bottom Layer w1: v1(24.475,39) 24.475,13.3 26.99,10.785 H4.2@26.99,4.575 ; v1(110.175,39) v1(110.175,66.825) ; U4.2@130.425,69.375 130.435,69.385 130.435,74.691 R5.2@130.445,74.701
pads on no net: CN1.MH CN2. CN2.1 CN2.8 LCD.7 LCD.8 LCD.9 LCD.10 M1.1 M2.1 M3.1 M4.1 P2.5 P2.6 P2.60 P3.7 P3.8 P5.0 Pa.5 Pa.6 Pd.60 SW1.3 U4.3 U6.9 U6.10 U6.11 U6.12 U6.13 U6.14 U6.15 U7.MH1 U7.MH2

## Polygon pours and split planes (outlines as drawn)
PGND on Bottom Layer "Bottom Layer-SGND" (solid, pour order 0): 0.075,140.3 150.8,140.3 150.8,0.075 0.1,0.075 0.075,140.275
SGND on Top Layer "Top Layer-SGND" (solid, pour order 2): 150.875,140.3 150.875,0.025 150.85,0 0,0 0,140.3

## Other copper
Top Layer:
  rectangle net SGND: 121.675,111.325 140.675,113.25
  rectangle net Net+3V3_1: 127.75,118.6 132.575,125.1
Bottom Layer:
  rectangle net PGND: 130.025,111.4 132.475,113.225
  rectangle net Net+3V3_1: 124.546,118.575 132.6,125.125

## Silkscreen, mask and mechanical layers (free items; w line width, h text height)
Top Overlay:
  drawing of 12 lines, arcs and shapes, not listed
  text "Keys" at 116.875,138.375 h1.4
  text "Leds" at 94.425,137.95 h1.4
  text "+5V" at 127.3,132.775 h1.4
  text "NoVolt" at 135.175,132.725 h1.4
  text "Oled1" at 79.775,132.325 h1.4 r270
  text "Oled2" at 58.6,128.625 h1.4 r90
  text "11PC0" at 36.45,128.05 h1.4 r270
  text "3:V0" at 46.55,128.05 h1.4 r270
  text "+3V3" at 71.05,128.05 h1.3 r270
  text "9NC" at 39.025,128 h1.4 r270
  text "1GND" at 49.125,128 h1.4 r270
  text "9SCL/PB8" at 63.525,128 h1.3 r270
  text "+5V0" at 73.625,128 h1.3 r270
  text "+5V0" at 31.375,127.95 h1.4 r270
  text "13PC2" at 33.9,127.95 h1.4 r270
  text "7NC" at 41.475,127.95 h1.4 r270
  text "5GND" at 44,127.95 h1.4 r270
  text "7GND" at 65.975,127.95 h1.3 r270
  text "5SDA/PB9" at 68.5,127.95 h1.3 r270
  text "3K3/PA10" at 112.3,127.925 h1.4 r270
  text "1K1/PA8" at 114.875,127.875 h1.4 r270
  text "+3V3" at 107.225,127.825 h1.4 r270
  text "5K5/PA12" at 109.75,127.825 h1.4 r270
  text "+5V0" at 87.4,127.525 h1.4 r270
  text "3PC12" at 89.975,127.525 h1.4 r270
  text "1PC10" at 92.525,127.525 h1.4 r270
  text "1RST" at 13.075,125.075 h1.4
  text "2SWCLK" at 19.325,125.05 h1.4
  text "4SWDIO" at 19.25,122.525 h1.4
  text "3SWO" at 13.025,122.5 h1.4
  text "4SCL/PB8" at 71.075,121.275 h1.2 r270
  text "6GND" at 87.385,120.673 h1.4 r270
  text "4PD2" at 89.975,120.6 h1.4 r270
  text "2PC11" at 92.525,120.6 h1.4 r270
  text "16BKL" at 31.425,120.5 h1.4 r270
  text "14PC3" at 33.9,120.5 h1.4 r270
  text "12PC1" at 36.475,120.5 h1.4 r270
  text "10NC" at 39,120.5 h1.4 r270
  text "8NC" at 41.525,120.5 h1.4 r270
  text "6EN/PB9" at 44,120.5 h1.4 r270
  text "4RS/PB8" at 46.575,120.5 h1.4 r270
  text "+5V0" at 49.1,120.5 h1.4 r270
  text "5GND" at 13.125,119.95 h1.4
  text "6GND" at 19.325,119.95 h1.4
  text "+3V3" at 66.025,118.175 h1.3 r270
  text "10SDA/PB9" at 63.5,118.125 h1.3 r270
  text "+5V0" at 68.5,118.125 h1.3 r270
  text "2GND" at 73.6,118.125 h1.3 r270
  text "8NC" at 19.275,117.475 h1.4
  text "7NC" at 13.125,117.425 h1.4
  text "8GND" at 107.275,117.175 h1.4 r270
  text "6K6/PC14" at 109.75,117.175 h1.4 r270
  text "4K4/PA11" at 112.325,117.175 h1.4 r270
  text "2K2/PA9" at 114.85,117.175 h1.4 r270
  text "+5V0" at 19.275,114.925 h1.4
  text "+5V0" at 13.175,114.9 h1.4
  text "Adaptor +5V" at 137.775,114.175 h1.4
  text "Programmer" at 2.3,110.575 h1.4 r90
  text "SWO" at 78.05,104.275 h1.4 r90
  text "I2C-SCL/PB8" at 10.05,103.35 h1.4
  text "I2C.SCL" at 62.675,102.4 h1.4 r90
  text "N.C." at 65.3,102.4 h1.4 r90
  text "PB7" at 67.725,102.375 h1.4 r90
  text "EN" at 60.175,102.35 h1.4 r90
  text "PB6" at 70.375,102.35 h1.4 r90
  text "SGND" at 57.625,102.3 h1.4 r90
  text "+3V3M" at 55.005,102.25 h1.4 r90
  text "PC12" at 83.1,102.2 h1.4 r90
  text "PC11" at 85.7,102.2 h1.4 r90
  text "PC10" at 88.2,102.2 h1.4 r90
  text "PD2" at 80.55,102.175 h1.4 r90
  text "PA15" at 90.775,102.175 h1.4 r90
  text "SWCLK" at 93.3,102.175 h1.4 r90
  text "SD.DI" at 72.975,102.05 h1.4 r90
  text "SD.DO" at 75.45,102 h1.4 r90
  text "56" at 75.475,99.1 h1.4 r90
  text "55" at 78.05,99.1 h1.4 r90
  text "54" at 80.6,99.1 h1.4 r90
  text "57" at 73,99.075 h1.4 r90
  text "53" at 83.15,99.075 h1.4 r90
  text "52" at 85.7,99.075 h1.4 r90
  text "51" at 88.175,99.075 h1.4 r90
  text "50" at 90.775,99.075 h1.4 r90
  text "49" at 93.3,99.075 h1.4 r90
  text "64" at 55.15,99.05 h1.4 r90
  text "60" at 65.3,99.05 h1.4 r90
  text "59" at 67.85,99.05 h1.4 r90
  text "58" at 70.45,99.05 h1.4 r90
  text "63" at 57.7,99.025 h1.4 r90
  text "62" at 60.2,99.025 h1.4 r90
  text "61" at 62.825,99.025 h1.4 r90
  text "UART1RX/PB7" at 9.9,97.925 h1.4
  text "EE.AD" at 3.825,92.55 h1.4
  text "PB9" at 60.15,91.3 h1.4 r90
  text "PB5" at 73,91.273 h1.4 r90
  text "PB4" at 75.475,91.273 h1.4 r90
  text "PB3" at 78.05,91.273 h1.4 r90
  text "PB10" at 62.825,90.348 h1.4 r90
  text "PA14" at 93.25,90.1 h1.4 r90
  text "BOOT" at 65.3,89.8 h1.4 r90
  text "+3V3M" at 104,89.775 h1.4
  text "48" at 100.775,89.75 h1.4
  text "1" at 45.05,89.7 h1.4
  text "VBAT" at 40.125,89.675 h1.4
  text "BKL" at 41.25,87.2 h1.4
  text "2" at 45.075,87.2 h1.4
  text "PC13" at 51,87.2 h1.4
  text "47" at 100.8,87.125 h1.4
  text "SGND" at 104.125,87.1 h1.4
  text "+3V3" at 135.7,86.45 h1.4
  text "3" at 45.075,84.625 h1.4
  text "46" at 100.775,84.625 h1.4
  text "KEY6" at 40.25,84.6 h1.4
  text "SWDIO" at 104.15,84.6 h1.4
  text "PC14" at 51,84.575 h1.4
  text "PA13" at 91.813,84.3 h1.4
  text "4" at 45.075,82.125 h1.4
  text "45" at 100.75,82.099 h1.4
  text "KEY5" at 104.125,82.05 h1.4
  text "SPI-CS" at 38.225,82.025 h1.4
  text "PC15" at 51,82 h1.4
  text "PA12" at 91.813,81.77 h1.4
  text "44" at 100.725,79.575 h1.4
  text "PGND" at 135.975,79.475 h1.4
  text "KEY4" at 104.15,79.45 h1.4
  text "N.C." at 41.167,79.375 h1.4
  text "5" at 45.05,79.375 h1.4
  text "OSC_IN" at 50.725,79.375 h1.3
  text "PA11" at 91.813,79.24 h1.4
  text "N.C." at 41.167,77.025 h1.4
  text "6" at 45.05,77.025 h1.4
  text "OSC_O" at 50.725,77.025 h1.3
  text "43" at 100.725,76.925 h1.4
  text "KEY3" at 104.15,76.8 h1.4
  text "PA10" at 91.813,76.71 h1.4
  text "RESET" at 39.475,74.525 h1.4
  text "7" at 45.05,74.425 h1.4
  text "42" at 100.725,74.375 h1.4
  text "KEY2B" at 104.15,74.35 h1.4
  text "PA9" at 91.813,74.18 h1.4
  text "+5V0" at 135.925,74.1 h1.4
  text "41" at 100.7,72.05 h1.4
  text "8" at 45.05,71.95 h1.4
  text "PA8" at 91.813,71.95 h1.4
  text "KEY1A" at 104.125,71.95 h1.4
  text "PC0" at 39.525,71.85 h1.4
  text "PC9" at 106.7,69.375 h1.4
  text "9" at 45.1,69.325 h1.4
  text "40" at 100.675,69.3 h1.4
  text "PC1" at 39.2,69.225 h1.4
  text "PGND" at 136.05,68.05 h1.4
  text "PC2" at 37.8,66.85 h1.4
  text "10" at 45.125,66.85 h1.4
  text "PC8" at 104.125,66.8 h1.4
  text "39" at 100.725,66.75 h1.4
  text "PC3" at 40.925,64.2 h1.4
  text "11" at 45.15,64.2 h1.4
  text "38" at 100.625,64.15 h1.4
  text "PC7" at 104.125,64.15 h1.4
  text "PA15F" at 135.025,63.425 h1.4
  text "37" at 100.7,61.75 h1.4
  text "PC6" at 105.3,61.75 h1.4
  text "AGND" at 39.731,61.675 h1.4
  text "12" at 45.175,61.675 h1.4
  text "SD-DO/PB4" at 10.025,59.975 h1.4
  text "VDDA" at 39.868,59.35 h1.4
  text "36" at 100.7,59.325 h1.4
  text "PB15" at 104.125,59.3 h1.4
  text "13" at 45.175,59.1 h1.4
  text "SGND" at 135.925,56.95 h1.4
  text "PB14" at 104.125,56.7 h1.4
  text "35" at 100.7,56.65 h1.4
  text "PA0" at 40.925,56.625 h1.4
  text "14" at 45.2,56.575 h1.4
  text "PB13" at 104.125,54.075 h1.4
  text "15" at 45.2,54.025 h1.4
  text "PA1" at 41.439,54 h1.4
  text "34" at 100.7,54 h1.4
  text "SWO/PB3" at 10.025,53.825 h1.4
  text "PC8F" at 135.75,52.15 h1.4
  text "16" at 45.1,51.45 h1.4
  text "PB12" at 104.125,51.4 h1.4
  text "33" at 100.7,51.375 h1.4
  text "PA2" at 40.925,51.325 h1.4
  text "UART1TX/PB6" at 10.125,47.95 h1.4
  text "PC9F" at 135.75,45.325 h1.4
  text "SD-DI/PB5" at 10.15,41.75 h1.4
  text "PC6F" at 135.7,41.5 h1.4
  text "25" at 75.425,40.775 h1.4 r90
  text "26" at 78.05,40.75 h1.4 r90
  text "28" at 83.05,40.75 h1.4 r90
  text "29" at 85.575,40.75 h1.4 r90
  text "21" at 65.375,40.725 h1.4 r90
  text "22" at 67.825,40.725 h1.4 r90
  text "23" at 70.375,40.725 h1.4 r90
  text "24" at 72.875,40.725 h1.4 r90
  text "27" at 80.65,40.725 h1.4 r90
  text "30" at 88.025,40.725 h1.4 r90
  text "17" at 55.225,40.7 h1.4 r90
  text "18" at 57.7,40.7 h1.4 r90
  text "19" at 60.225,40.7 h1.4 r90
  text "20" at 62.75,40.7 h1.4 r90
  text "31" at 90.825,40.7 h1.4 r90
  text "32" at 93.275,40.675 h1.4 r90
  text "SPI-CS/PC15" at 10.175,38.275 h1.4
  text "PB1" at 80.55,36.75 h1.4 r90
  text "PA4" at 62.95,36.35 h1.4 r90
  text "PC4" at 72.9,36.35 h1.4 r90
  text "PA5" at 65.425,36.325 h1.4 r90
  text "PA6" at 67.875,36.325 h1.4 r90
  text "PA7" at 70.425,36.3 h1.4 r90
  text "PC5" at 75.475,36.3 h1.4 r90
  text "PB0" at 78.125,36.3 h1.4 r90
  text "PA3" at 55.325,36.25 h1.4 r90
  text "PB2" at 83.05,36.25 h1.4 r90
  text "PB11" at 88.1,35.95 h1.4 r90
  text "PB10" at 85.609,35.475 h1.4 r90
  text "SGND" at 57.725,35.25 h1.4 r90
  text "SGND" at 90.825,35.075 h1.4 r90
  text "PC7F" at 135.725,34.425 h1.4
  text "+3V3M" at 60.45,33.85 h1.4 r90
  text "+3V3M" at 93.3,33.5 h1.4 r90
  text "I2C-SDA/PB9" at 10.2,30.175 h1.4
  text "SGND" at 135.875,29.475 h1.4
  text "PB12F" at 135.475,22.25 h1.4
  text "PB13F" at 135.45,17.75 h1.4
  text "PB15F" at 135.475,10.7 h1.4
  text "V1.0" at 1.825,10.525 h1.4
  text "PA7F" at 60.875,10.15 h1.4 r90
  text "PB1F" at 83.875,10.15 h1.4 r90
  text "PB0F" at 91.4,10.125 h1.4 r90
  text "PA1F" at 45.425,10.1 h1.4 r90
  text "PA4F" at 49.1,10.1 h1.4 r90
  text "PA3F" at 56.925,10.1 h1.4 r90
  text "PC4F" at 79.9,10.1 h1.4 r90
  text "PB11F" at 95.325,10.1 h1.4 r90
  text "PA0F" at 34.55,10.075 h1.4 r90
  text "PA2F" at 37.625,10.075 h1.4 r90
  text "PB2F" at 102.825,10.075 h1.4 r90
  text "AGND" at 106.475,10.075 h1.4 r90
  text "PB14F" at 114.625,10.075 h1.4 r90
  text "VDDA" at 26.175,10.05 h1.4 r90
  text "PA6F" at 68.325,10.05 h1.4 r90
  text "PC5F" at 72.725,10.05 h1.4 r90
  text "AGND" at 17.225,10 h1.4
Mechanical 1:
  lines w0.254: 0.05,0.075 150.8,0.075 150.8,140.275 0.05,140.275 0.05,0.075

## Text inside footprints (layer, text, board x,y; h text height)
B1: Top Overlay "+" at 131.986,8.878 h1.4
LCD: Top Overlay "2" at 51.546,132.035 h1.4 r270; Top Overlay "1" at 51.48,134.632 h1.4 r270
OLED: Top Overlay "2" at 75.607,132.004 h1.4 r270; Top Overlay "1" at 75.607,134.544 h1.4 r270; Top Overlay "9" at 61.764,134.671 h1.4 r270; Top Overlay "10" at 61.764,132.385 h1.4 r270
P3: Top Overlay "10" at 8.25,112.675 h1.4; Top Overlay "9" at 5.9,112.775 h1.4; Top Overlay "1" at 6.046,127.147 h1.4; Top Overlay "2" at 8.586,127.147 h1.4
P4: Top Overlay "2" at 117.32,132.02 h1.4 r270; Top Overlay "1" at 117.32,134.43 h1.4 r270; Top Overlay "8" at 106.16,131.4 h1.4 r90; Top Overlay "7" at 106.21,133.97 h1.4 r90
P5: Top Overlay "1" at 94.602,134.544 h1.4 r270; Top Overlay "2" at 94.602,132.004 h1.4 r270; Top Overlay "5" at 85.712,134.671 h1.4 r270; Top Overlay "6" at 85.712,132.131 h1.4 r270
U4: Top Overlay "-" at 128.139,71.407 h1.4 r180; Top Overlay "T" at 133.346,71.407 h1.4 r180; Top Overlay "+" at 130.679,71.407 h1.4 r180
U7: Mechanical 1 "PCB Edge" at 151.207,94.314 h0.25 r90